# Altium PCB FMC_ADC_100M_10B_16CHA_TDC.PcbDoc (part 11 of 12)
Units mil, origin at the board's own origin, x right, y up, seen from the top; angles counter-clockwise.
Board outline 3037.39 x 2716.54 mil, 6 copper layers (TOP, G1, L2, L3, P3, BOTTOM), stack 50.475 mil thick; 720 components, 633 nets, 2798 pads, 1593 vias.
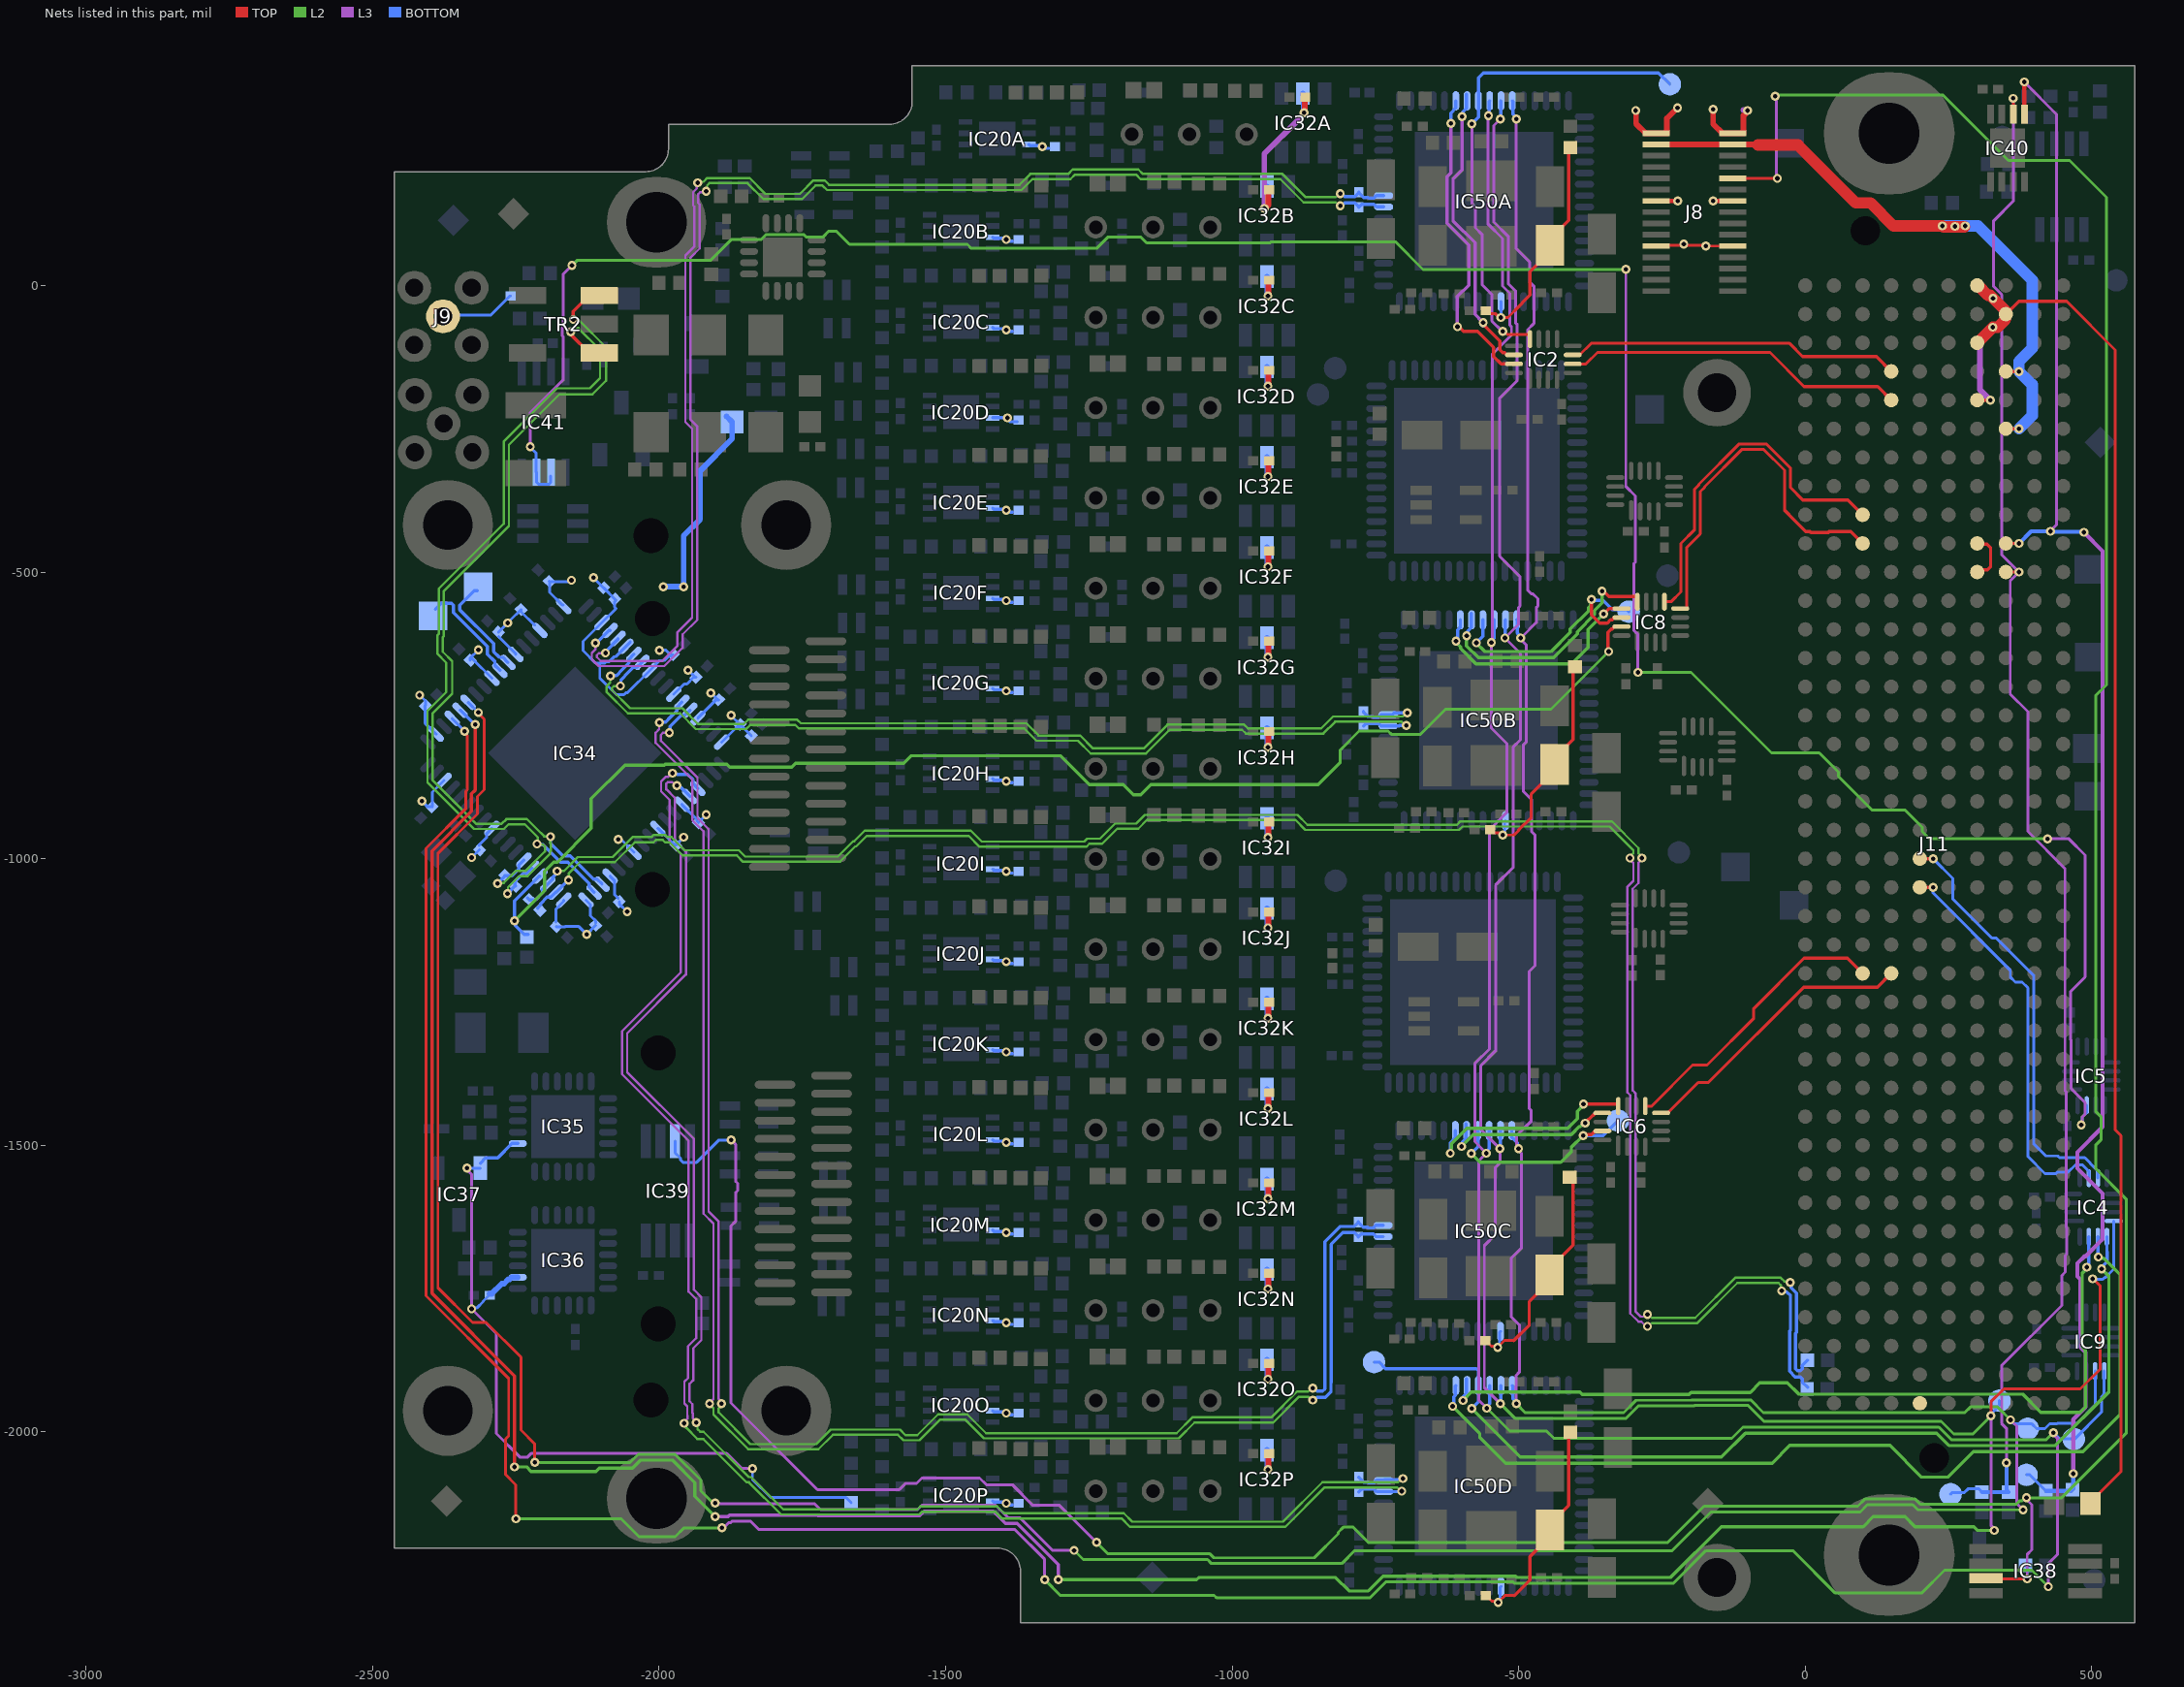
[diagram p15: the nets of this part, all layers, seen from the top]

## Via types
v1: diameter 15.75, hole 7.87, TOP to BOTTOM, tented both sides, 1528 vias
v2: diameter 23.62, hole 11.81, TOP to BOTTOM, tented both sides, 39 vias
v3: diameter 23.62, hole 7.87, TOP to BOTTOM, tented both sides, 26 vias

## Nets (pads, with @x,y where several pads share a name; then routed paths per layer and width w, separated by ;. In a path a pad name is that pad's centre, name@x,y a point inside that pad or via, vN(x,y) a via of type N, cw(c..) or ccw(c..) an arc to the next point about the centre after c; other vN are vias at no path point) (continued)
P3V3: C105A.1 C105B.1 C105C.1 C105D.1 C105E.1 C105F.1 C105G.1 C105H.1 C105I.1 C105J.1 C105K.1 C105L.1 C105M.1 C105N.1 C105O.1 C105P.1 IC32A.5 IC32B.5 IC32C.5 IC32D.5 IC32E.5 IC32F.5 IC32G.5 IC32H.5 IC32I.5 IC32J.5 IC32K.5 IC32L.5 IC32M.5 IC32N.5 IC32O.5 IC32P.5 J8.21 J8.22 J11.c39 J11.d36 J11.d38 J11.d40 R119.1 | length 3927.5
  TOP w5: J8.22@-260.24,68.84 -258.66,70.42 -215.64,70.42 -214.06,68.84 -212.48,70.42 -174.92,70.42 v1(-173.34,68.84) J8.21@-126.38,68.84 ; v1@-214.06,69.94 v1(-212,72) ; 455.82,-27.4 540.86,-112.44 540.86,-1473.11 550.96,-1483.2 550.96,-2069.32 497.25,-2123.03 R119.1@497.25,-2125
  TOP w5.71: J11.d36@300,-200 v1(323,-200) ; J11.c39@350,-50 372.6,-27.4 455.82,-27.4
  TOP w10: v1(-943.97,134.48) -942.21,134.48 -936.54,140.14 -936.54,163.98 C105B.1@-934.88,165.64 ; v1(-937.52,-2065.56) -936.54,-2064.58 -936.54,-2040.75 C105P.1@-934.88,-2039.08 ; v1(-937.52,-1908.08) -936.54,-1907.1 -936.54,-1883.27 C105O.1@-934.88,-1881.6 ; v1(-937.52,-1750.6) -936.54,-1749.62 -936.54,-1725.79 C105N.1@-934.88,-1724.12 ; v1(-937.52,-1593.12) -936.54,-1592.14 -936.54,-1568.31 C105M.1@-934.88,-1566.64 ; v1(-937.52,-1435.64) -936.54,-1434.66 -936.54,-1410.83 C105L.1@-934.88,-1409.16 ; v1(-937.52,-1278.16) -936.54,-1277.18 -936.54,-1253.35 C105K.1@-934.88,-1251.68 ; v1(-937.52,-1120.68) -936.54,-1119.7 -936.54,-1095.86 C105J.1@-934.88,-1094.2 ; v1(-937.52,-963.2) -936.54,-962.22 -936.54,-938.38 C105I.1@-934.88,-936.72 ; v1(-937.52,-805.72) -936.54,-804.74 -936.54,-780.9 C105H.1@-934.88,-779.24 ; v1(-937.52,-648.24) -936.54,-647.26 -936.54,-623.42 C105G.1@-934.88,-621.76 ; v1(-937.52,-490.76) -936.54,-489.78 -936.54,-465.94 C105F.1@-934.88,-464.28 ; v1(-937.52,-333.28) -936.54,-332.3 -936.54,-308.46 C105E.1@-934.88,-306.8 ; v1(-937.52,-175.8) -936.54,-174.82 -936.54,-150.98 C105D.1@-934.88,-149.32 ; v1(-937.52,-18.32) -936.54,-17.34 -936.54,6.5 C105C.1@-934.88,8.16 ; v1(-874.41,301.13) -873.43,302.11 -873.43,325.95 C105A.1@-871.76,327.61
  TOP w20: J11.d38@300,-100 v1(327.13,-72.87) 335.69,-72.87 349.01,-59.55 349.01,-50.99 J11.c39@350,-50 ; J11.d40@300,0 301.41,0 318.61,-17.2 322.55,-17.2 v1(327.67,-22.33) J11.c39@349.01,-43.66
  L3 w10: v1(-943.97,134.48) -943.97,229.9 -884.09,289.78 -884.09,289.89 -874.41,299.57 v1(-874.41,301.13) ; v1(323,-200) 305.13,-182.13 305.13,-94.87 v1(327.13,-72.87)
  BOTTOM w10: v1(-943.97,134.48) -938.51,139.94 -938.51,171.9 IC32B.5@-939.49,172.88 ; IC32P.5@-939.49,-2031.84 -938.51,-2032.82 -938.51,-2064.58 v1(-937.52,-2065.56) ; IC32O.5@-939.49,-1874.36 -938.51,-1875.34 -938.51,-1907.1 v1(-937.52,-1908.08) ; IC32N.5@-939.49,-1716.88 -938.51,-1717.86 -938.51,-1749.62 v1(-937.52,-1750.6) ; IC32M.5@-939.49,-1559.4 -938.51,-1560.38 -938.51,-1592.14 v1(-937.52,-1593.12) ; IC32L.5@-939.49,-1401.92 -938.51,-1402.9 -938.51,-1434.66 v1(-937.52,-1435.64) ; IC32K.5@-939.49,-1244.44 -938.51,-1245.42 -938.51,-1277.18 v1(-937.52,-1278.16) ; IC32J.5@-939.49,-1086.96 -938.51,-1087.94 -938.51,-1119.7 v1(-937.52,-1120.68) ; IC32I.5@-939.49,-929.48 -938.51,-930.46 -938.51,-962.22 v1(-937.52,-963.2) ; IC32H.5@-939.49,-772 -938.51,-772.98 -938.51,-804.74 v1(-937.52,-805.72) ; IC32G.5@-939.49,-614.52 -938.51,-615.5 -938.51,-647.26 v1(-937.52,-648.24) ; IC32F.5@-939.49,-457.04 -938.51,-458.02 -938.51,-489.78 v1(-937.52,-490.76) ; IC32E.5@-939.49,-299.56 -938.51,-300.54 -938.51,-332.3 v1(-937.52,-333.28) ; IC32D.5@-939.49,-142.08 -938.51,-143.06 -938.51,-174.82 v1(-937.52,-175.8) ; IC32C.5@-939.49,15.4 -938.51,14.42 -938.51,-17.34 v1(-937.52,-18.32) ; IC32A.5@-876.38,334.85 -875.4,333.87 -875.4,302.11 v1(-874.41,301.13)
P3V3_CLK: C119.2 C120.2 C121.2 C122.2 C123.2 C124.2 C125.2 C126.2 C127.2 C128.2 C134.2 C135.2 C137.2 C138.2 C139.2 C140.2 C141.2 C142.2 C143.2 IC34.1 IC34.10 IC34.16 IC34.20 IC34.27 IC34.30 IC34.33 IC34.36 IC34.39 IC34.42 IC34.45 IC34.48 IC34.51 IC34.54 IC34.60 IC34.63 IC34.66 IC34.69 IC34.72 J8.1 J8.2 L8.1 | length 2269.4
  TOP w10: v1(-295.81,305.07) -295.28,304.53 -295.28,282.19 -278.78,265.69 J8.2@-260.24,265.69 -241.69,265.69 -241.62,265.77 -241.62,291.38 v1(-223,310) ; v1(-160.74,307.44) -160.74,281.51 -144.92,265.69 J8.1@-126.38,265.69 -107.84,265.69 -107.76,265.77 -107.76,296.44 -100.69,303.51 v1(-100.69,305.07)
  L3 w10: v1@-107.79,306.17 -101.79,306.17 v1(-100.69,305.07)
  BOTTOM w5: v1(-2417.72,-714.62) -2407.52,-724.81 -2407.52,-732.41 C122.2@-2407.9,-732.79 ; v1(-2413.78,-899.66) -2403.8,-909.64 C126.2@-2396.16,-909.6 C126.2@-2396.16,-909.6 -2395.47,-908.9 -2395.47,-883.91 IC34.16@-2375.09,-863.53 ; C122.2@-2409.2,-734.94 -2408.59,-735.56 -2408.59,-763.22 IC34.20@-2389.01,-782.8 ; C119.2@-2329.45,-653.95 C119.2@-2329.45,-651.63 ; v1(-2327.17,-998.08) -2313.49,-984.4 C124.2@-2313.29,-984.4 ; v1(-2315.35,-635.88) -2329.45,-649.99 C119.2@-2329.45,-651.63 ; C124.2@-2313.98,-977.03 -2313.98,-976.11 -2300.53,-962.66 -2300.53,-956.01 IC34.10@-2291.57,-947.05 ; IC34.27@-2291.57,-685.36 -2325.31,-651.63 C119.2@-2329.45,-651.63 ; C127.2@-2280.14,-604.84 -2280.14,-604.6 v1(-2264.17,-588.64) ; C127.2@-2279.92,-612.26 -2279.92,-612.65 -2249.82,-642.76 IC34.30@-2249.82,-643.6 ; v1@-2260.24,-584.7 -2241,-565.47 C123.2@-2240.77,-565.47 -2240.77,-569.13 -2217.33,-592.57 IC34.33@-2216.93,-592.57 ; C134.2@-2191.56,-516.25 C134.2@-2190.86,-516.95 ; C137.2@-2180.13,-1110.89 -2180.13,-1087.99 -2166.3,-1074.17 IC34.1@-2166.3,-1072.32 ; C137.2@-2179.43,-1118.26 -2178.73,-1118.96 -2164.29,-1118.96 -2163.75,-1118.42 -2139.9,-1118.42 v1@-2130.32,-1128.01 ; IC34.36@-2167.4,-557.14 -2169.25,-557.14 -2190.86,-535.52 C134.2@-2190.86,-516.95 ; v1(-2152.8,-514.38) -2155.7,-514.38 -2158.27,-516.95 C134.2@-2190.86,-516.95 ; IC34.72@-2127.32,-1072.32 -2119.67,-1079.98 -2119.67,-1099.56 -2110.63,-1108.59 C142.2@-2110.63,-1112.26 ; v1(-2126.37,-1131.94) C142.2@-2110.63,-1116.19 ; v1(-2114.57,-509.9) -2096.95,-527.51 C143.2@-2096.75,-527.51 C125.2@-2077.07,-547.2 ; IC34.69@-2085.57,-1030.56 -2077.91,-1038.22 -2077.91,-1062.3 C139.2@-2071.26,-1068.95 ; C125.2@-2075.2,-549.27 -2077.76,-551.83 -2077.76,-561.07 -2075.2,-563.64 IC34.39@-2099.49,-587.93 -2132.58,-621.02 -2132.58,-637.12 -2110.92,-658.77 -2102.9,-658.77 ; v1(-2071.26,-966.59) -2069.2,-968.65 -2063.97,-968.65 IC34.66@-2043.81,-988.81 ; C139.2@-2069.39,-1074.95 -2069.39,-1078.69 v1(-2055.51,-1092.57) ; IC34.42@-2050.07,-622.03 IC34.42@-2057.73,-629.69 -2075.59,-647.55 -2078.15,-647.55 -2087.15,-656.55 -2092.66,-656.55 -2094.88,-658.77 -2102.9,-658.77 ; IC34.63@-2002.05,-947.05 -1974.64,-974.46 C138.2@-1972.84,-974.46 ; v1(-1999.48,-636.44) -1988.03,-636.44 -1980.16,-644.3 C128.2@-1974.92,-644.3 ; C128.2@-1976.77,-647.69 -1978.41,-646.05 -1982.17,-646.05 -1990.39,-654.27 -1998.79,-654.27 IC34.45@-2015.97,-671.44 -2054.7,-710.17 -2057.26,-710.17 -2061.14,-714.06 -2074.34,-714.06 -2103.4,-685 -2103.4,-659.27 -2102.9,-658.77 ; IC34.48@-1974.21,-713.2 -1956.15,-695.14 -1951.3,-695.14 -1939.83,-683.67 C135.2@-1935.55,-683.67 ; C138.2@-1970.77,-976.53 -1970.77,-976.34 v1(-1957.08,-962.65) ; IC34.60@-1960.29,-905.29 -1933.47,-932.12 C121.2@-1933.47,-935.09 ; v1(-1949.21,-671.31) C135.2@-1937.4,-683.12 ; IC34.51@-1932.45,-754.96 -1900.34,-722.85 C140.2@-1895.99,-722.85 ; C121.2@-1931.4,-937.16 -1931.4,-936.97 v1(-1917.71,-923.28) ; v1(-1909.84,-710.68) C140.2@-1898.03,-722.49 ; IC34.54@-1890.69,-796.72 -1863.71,-769.74 C141.2@-1858.66,-769.74 ; v1(-1874.41,-750.06) C141.2@-1858.66,-765.8 C120.2@-1838.98,-785.49
  BOTTOM w10: v1(-1992.52,-525.64) v1(-1957.09,-525.64) -1957.09,-436.54 -1928.55,-408 -1928.55,-323.44 -1872.44,-267.34 L8.1@-1872.44,-238.24 L8.1@-1882.29,-228.4
P5V0A: C101A.1 C101B.1 C101C.1 C101D.1 C101E.1 C101F.1 C101G.1 C101H.1 C101I.1 C101J.1 C101K.1 C101L.1 C101M.1 C101N.1 C101O.1 C101P.1 IC20A.3 IC20B.3 IC20C.3 IC20D.3 IC20E.3 IC20F.3 IC20G.3 IC20H.3 IC20I.3 IC20J.3 IC20K.3 IC20L.3 IC20M.3 IC20N.3 IC20O.3 IC20P.3 J8.13 J8.14 | length 615.6
  TOP w7.87: J8.14@-260.24,147.58 v1(-222.61,147.58) ; v1(-160.74,147.58) J8.13@-126.38,147.58
  BOTTOM w5.71: IC20P.3@-1417.84,-2120.68 -1415.82,-2122.7 -1396.14,-2122.7 v1(-1394.22,-2124.62) ; IC20O.3@-1417.84,-1963.2 -1415.82,-1965.22 -1396.14,-1965.22 v1(-1394.22,-1967.14) ; IC20N.3@-1417.84,-1805.72 -1415.82,-1807.74 -1396.14,-1807.74 v1(-1394.22,-1809.66) ; IC20M.3@-1417.84,-1648.24 -1415.82,-1650.26 -1396.14,-1650.26 v1(-1394.22,-1652.18) ; IC20L.3@-1417.84,-1490.76 -1415.82,-1492.78 -1396.14,-1492.78 v1(-1394.22,-1494.7) ; IC20K.3@-1417.84,-1333.28 -1415.82,-1335.3 -1396.14,-1335.3 v1(-1394.22,-1337.22) ; IC20J.3@-1417.84,-1175.8 -1415.82,-1177.82 -1396.14,-1177.82 v1(-1394.22,-1179.74) ; IC20I.3@-1417.84,-1018.32 -1415.82,-1020.34 -1396.14,-1020.34 v1(-1394.22,-1022.26) ; IC20H.3@-1417.84,-860.84 -1415.82,-862.86 -1396.14,-862.86 v1(-1394.22,-864.78) ; IC20G.3@-1417.84,-703.36 -1415.82,-705.38 -1396.14,-705.38 v1(-1394.22,-707.3) ; IC20F.3@-1417.84,-545.88 -1415.82,-547.9 -1396.14,-547.9 v1(-1394.22,-549.82) ; IC20E.3@-1417.84,-388.4 -1415.82,-390.42 -1396.14,-390.42 v1(-1394.22,-392.34) ; IC20D.3@-1417.84,-230.92 -1417.57,-230.65 -1398.3,-230.65 v1@-1398.03,-230.92 ; IC20C.3@-1417.84,-73.44 -1415.82,-75.46 -1396.14,-75.46 v1(-1394.22,-77.38) ; IC20B.3@-1417.84,84.04 -1415.82,82.03 -1396.14,82.03 v1(-1394.22,80.11) ; v1(-1392,-231) -1394.69,-231 -1387.96,-237.73 C101D.1@-1375,-237.73 ; v1@-1390.28,-2125.36 -1390.28,-2125.84 -1388.63,-2127.49 -1383.47,-2127.49 ; v1@-1390.28,-1967.88 -1390.28,-1968.36 -1388.63,-1970.01 -1383.47,-1970.01 ; v1@-1390.28,-1810.4 -1390.28,-1810.88 -1388.63,-1812.53 -1383.47,-1812.53 ; v1@-1390.28,-1652.92 -1390.28,-1653.4 -1388.63,-1655.05 -1383.47,-1655.05 ; v1@-1390.28,-1495.44 -1390.28,-1495.92 -1388.63,-1497.57 -1383.47,-1497.57 ; v1@-1390.28,-1337.96 -1390.28,-1338.44 -1388.63,-1340.09 -1383.47,-1340.09 ; v1@-1390.28,-1180.48 -1390.28,-1180.96 -1388.63,-1182.61 -1383.47,-1182.61 ; v1@-1390.28,-1023 -1390.28,-1023.48 -1388.63,-1025.13 -1383.47,-1025.13 ; v1@-1390.28,-865.52 -1390.28,-866 -1388.63,-867.65 -1383.47,-867.65 ; v1@-1390.28,-708.04 -1390.28,-708.52 -1388.63,-710.17 -1383.47,-710.17 ; v1@-1390.28,-550.56 -1390.28,-551.04 -1388.63,-552.69 -1383.47,-552.69 ; v1@-1390.28,-393.08 -1390.28,-393.56 -1388.63,-395.21 -1383.47,-395.21 ; v1@-1390.28,-78.12 -1390.28,-78.6 -1388.63,-80.25 -1383.47,-80.25 ; v1@-1390.28,79.36 -1390.28,78.88 -1388.63,77.23 -1383.47,77.23 ; IC20A.3@-1354.73,246.01 -1352.71,243.99 -1333.02,243.99 v1(-1331.1,242.07) ; v1@-1327.17,241.33 -1327.17,240.85 -1325.51,239.2 -1320.36,239.2
P12V0: J8.3 J8.4 J11.c35 J11.c37 | length 1090.2
  TOP w5.71: J11.c35@350,-250 v1(373,-250) ; J11.c37@350,-150 v1(373,-150)
  TOP w10: J8.4@-260.24,246.01 J8.3@-145,246.01 ; J8.3@-107.76,246.01 -83.48,246.01 -82.4,244.93
  TOP w20: -82.4,244.93 -12.56,244.93 88.14,144.22 113.68,144.22 154.05,103.85 v1(239.29,103.85) 241.14,102 v1@278,102
  BOTTOM w20: v1(239.29,103.85) 301.5,103.85 395.87,9.47 395.87,-109.47 373,-132.35 v1(373,-150) 395.87,-172.87 395.87,-227.13 v1(373,-250)
  other v1: 261,103 279,104
PG_M2C: J11.f1
REF2V5: C147.1 IC35.8 IC36.8 IC37.2 R117.1 | length 1374.3
  L3 w5: v1(-2335.04,-1539.97) -2335.04,-1542.88 -2327.17,-1550.76 v1(-2327.17,-1785.49) -2284.05,-1828.61 -2284.05,-2002.83 -2242.98,-2043.89 -2229.36,-2043.89 -2223.29,-2037.83 -1881.9,-2037.83 -1855.79,-2063.94 -1837.2,-2063.94 v1(-1837.08,-2064.06)
  BOTTOM w5: v1(-2335.04,-1539.97) IC37.2@-2311.54,-1539.97 ; v1(-2327.17,-1785.49) -2325.11,-1783.43 -2317.46,-1783.43 -2306.87,-1772.84 -2306.87,-1772.08 -2296.66,-1761.86 C147.1@-2295.67,-1761.86 ; v1(-1837.08,-2064.06) -1836.96,-2064.18 -1836.96,-2082.77 -1805.21,-2114.52 -1673.8,-2114.52 R117.1@-1664.89,-2123.44
  BOTTOM w5.71: IC37.2@-2311.42,-1531 -2302.58,-1522.16 -2281.39,-1522.16 -2256.15,-1496.93 IC35.8@-2246.53,-1496.93
  BOTTOM w10: C147.1@-2295.67,-1758.99 -2291.81,-1758.99 -2274.3,-1741.47 -2270.46,-1741.47 -2262.96,-1733.97 -2260.64,-1733.97 -2256.86,-1730.19 IC36.8@-2246.53,-1730.19
REF_SEL: IC8.15 IC34.4 R78.2 | length 2428.2
  TOP w5.71: v1(-343,-638.62) -344.18,-637.44 -344.18,-605.01 -338.2,-599.03 -336.93,-599.03 -332.97,-595.07 IC8.15@-320.58,-595.07
  L2 w5: -811.77,-832.73 -811.77,-810.76 -778.49,-777.49 -727.65,-777.49 -722.23,-782.9 -671.39,-782.9 -627.6,-739.12 -443.5,-739.12 v1(-343,-638.62)
  L2 w5.71: v1(-2252.36,-1108.32) -2200.02,-1055.98 -2200.02,-1021.93 -2184.07,-1005.98 -2177.33,-1005.98 -2118.51,-947.16 -2118.51,-895.47 -2059.69,-836.65 -1990.66,-836.65 -1989.28,-835.27 -1881.67,-835.27 -1876.35,-840.59 -1768.74,-840.59 -1761.41,-833.26 -1572.74,-833.26 -1559.9,-820.42 -1299.78,-820.42 -1249.45,-870.75 -1190.02,-870.75 -1172.39,-888.38 -1159.35,-888.38 -1141.72,-870.75 -1126.64,-870.75 -1126.39,-870.5 -1049.7,-870.5 -1049.45,-870.75 -849.79,-870.75 -811.77,-832.73
  BOTTOM w5.71: R78.2@-2228.74,-1131.94 -2235.32,-1131.94 -2250.44,-1116.82 -2250.44,-1110.24 v1(-2252.36,-1108.32) -2252.36,-1073.9 -2209.02,-1030.56 IC34.4@-2208.06,-1030.56
REFA_N: IC34.3 R76.2 R121.1 | length 3403.8
  L3 w4: v1(-285.13,-998.91) -285.13,-1001.25 -291,-1007.13 -291,-1042.49 -301.27,-1052.76 -301.27,-1404.19 -296.33,-1409.13 -296.33,-1789.6 -287.02,-1798.91 -282.36,-1798.91 -278.67,-1795.21 v1(-275.49,-1795.21)
  L2 w4: v1(-2177.56,-1021.71) -2177.42,-1021.57 -2166.07,-1021.57 -2141.7,-997.21 -2080.84,-997.21 -2046.03,-962.4 -2013.31,-962.4 -2009.37,-958.46 -1989.59,-958.46 -1985.65,-962.4 -1978.37,-962.4 -1955.37,-985.4 -1860.6,-985.4 -1849.59,-996.41 -1688.14,-996.41 -1661.38,-969.65 -1659.58,-969.65 -1641.07,-951.14 -1456.12,-951.14 -1437.06,-970.2 -1258.02,-970.2 -1252.83,-965 -1230.57,-965 -1204.35,-938.78 -1167.66,-938.78 -1152.46,-923.58 -885.88,-923.58 -868.55,-940.91 -607.88,-940.91 -601.81,-934.84 -337.59,-934.84 -291,-981.43 -291,-990.69 -285.13,-996.56 v1(-285.13,-998.91) ; v1(-275.49,-1795.21) -273.15,-1795.21 -267.27,-1801.09 -192.16,-1801.09 -122.2,-1731.13 -42.84,-1731.13 -36.29,-1737.67 -27.99,-1737.67 v1(-26.33,-1739.33)
  BOTTOM w5.71: R76.2@-2229.62,-1068.75 -2226.23,-1072.13 -2215.44,-1072.13 -2202.96,-1059.65 -2202.96,-1053.31 -2185.32,-1035.66 -2185.32,-1032.18 -2177.56,-1024.42 v1(-2177.56,-1021.71) ; v1(-26.33,-1739.33) -24.41,-1741.25 -24.41,-1748.34 -15.11,-1757.64 -15.11,-1826.48 -16.75,-1828.12 -16.75,-1889.92 -13.4,-1893.27 -8.23,-1893.27 -4.88,-1889.92 -4.88,-1883.95 R121.1@4.07,-1875
REFA_P: IC34.2 R76.1 R120.1 | length 3390.9
  L3 w4: v1(-305.87,-998.91) -305.87,-1001.25 -300,-1007.13 -300,-1038.76 -310.27,-1049.03 -310.27,-1407.92 -305.33,-1412.85 -305.33,-1793.33 -290.75,-1807.91 -285.89,-1807.91 -277.83,-1815.96 v1(-275.49,-1815.96)
  L2 w4: v1(-2157.87,-1037.46) -2157.74,-1037.32 -2157.74,-1025.97 -2137.98,-1006.21 -2077.11,-1006.21 -2042.3,-971.4 -2009.58,-971.4 -2005.64,-967.46 -1993.32,-967.46 -1989.38,-971.4 -1982.1,-971.4 -1959.1,-994.4 -1864.33,-994.4 -1853.31,-1005.41 -1684,-1005.41 ; -1684,-1005 -1657.65,-978.65 -1655.86,-978.65 -1637.34,-960.14 -1459.85,-960.14 -1440.79,-979.2 -1254.29,-979.2 -1249.1,-974 -1226.84,-974 -1200.62,-947.78 -1163.93,-947.78 -1148.73,-932.58 -889.61,-932.58 -872.28,-949.91 -604.15,-949.91 -598.08,-943.84 -341.32,-943.84 -300,-985.16 -300,-990.69 -305.87,-996.56 v1(-305.87,-998.91) ; v1(-275.49,-1815.96) -273.15,-1815.96 -267.27,-1810.09 -188.43,-1810.09 -118.47,-1740.13 -46.57,-1740.13 -42.66,-1744.04 -42.66,-1752.34 v1(-41,-1754)
  BOTTOM w5.71: R76.1@-2211.8,-1086.56 -2211.8,-1085.24 -2206.74,-1080.17 -2206.74,-1078.58 -2195.39,-1067.23 -2189.04,-1067.23 IC34.2@-2180.22,-1058.4 -2179.52,-1058.4 -2158.57,-1037.46 v1(-2157.87,-1037.46) ; v1(-41,-1754) -39.08,-1755.92 -31.99,-1755.92 -25.83,-1762.08 -25.83,-1822.05 -27.46,-1823.68 -27.46,-1894.36 -17.84,-1903.98 -8.23,-1903.98 -4.88,-1907.33 -4.88,-1913.3 R120.1@4.07,-1922.25
REFB_N: IC34.6 IC34.71 R77.2 TR2.3 | length 1650.1
  TOP w5.71: v1(-2153.93,-80.77) -2152.01,-82.69 -2152.01,-87.29 -2121.77,-117.53 TR2.3@-2104.26,-117.53
  L2 w4: v1(-2281.87,-1043.38) -2281.08,-1042.58 -2271.05,-1042.58 -2250.04,-1021.57 -2233.3,-1021.57 -2199.12,-987.39 -2199.12,-978.63 -2202.33,-975.42 -2212.04,-975.42 v1(-2212.99,-974.46) -2211.37,-972.84 -2211.37,-962.93 -2223.59,-950.72 -2234.39,-939.9 -2246.71,-939.9 -2246.81,-940 -2262.73,-940 -2270.82,-948.09 -2322.96,-948.09 -2403.97,-867.08 -2403.97,-742.37 -2371.35,-709.75 -2371.35,-658.03 -2386.47,-642.9 -2386.47,-610.24 -2384.47,-608.24 -2384.47,-529.1 -2271.05,-415.68 -2271.05,-272.22 -2178.23,-179.4 -2120.6,-179.4 -2102.92,-161.73 -2102.92,-112.16 -2140.8,-74.28 -2144.27,-74.28 -2150.75,-80.77 v1(-2153.93,-80.77)
  BOTTOM w5.71: v1(-2281.87,-1043.38) -2268.89,-1030.39 R77.2@-2268.89,-1029.47 -2268.33,-1030.03 -2256.86,-1030.03 -2244.72,-1017.89 -2244.72,-1011.55 IC34.6@-2235.9,-1002.73 ; v1(-2212.99,-974.46) -2211.95,-975.51 -2202.21,-975.51 -2171.75,-1005.98 -2159.49,-1005.98 -2122.23,-1043.24 -2122.23,-1049.58 IC34.71@-2113.41,-1058.4
REFB_P: IC34.5 IC34.70 R77.1 TR2.1 | length 1667
  TOP w5.71: v1(-2149.61,-59.41) -2149.66,-59.36 -2149.66,-45.42 -2121.77,-17.53 TR2.1@-2104.26,-17.53
  L2 w4: v1(-2264.42,-1060.83) -2263.62,-1060.04 -2263.62,-1050.01 -2244.19,-1030.57 -2229.58,-1030.57 -2190.12,-991.12 -2190.12,-987.79 -2188.62,-986.29 -2188.62,-974.28 -2189.78,-973.12 -2189.78,-961.99 v1(-2189.37,-961.59) -2189.87,-961.09 -2200.49,-961.09 -2214.59,-946.99 -2230.66,-930.9 -2250.44,-930.9 -2250.54,-931 -2266.46,-931 -2274.55,-939.09 -2319.23,-939.09 -2394.97,-863.36 -2394.97,-746.09 -2360.85,-711.97 -2360.85,-655.8 -2377.47,-639.17 -2377.47,-613.97 -2375.47,-611.96 -2375.47,-532.83 -2262.05,-419.41 -2262.05,-278.07 -2173.88,-189.9 -2116.25,-189.9 -2092.42,-166.07 -2092.42,-107.81 -2138.57,-61.66 -2147.36,-61.66 v1(-2149.61,-59.41)
  BOTTOM w5.71: v1(-2264.42,-1060.83) -2251.43,-1047.85 R77.1@-2250.52,-1047.85 -2251.07,-1047.29 -2251.07,-1039.64 -2248.83,-1037.39 -2248.83,-1037.15 -2237.14,-1025.47 -2230.8,-1025.47 IC34.5@-2221.98,-1016.65 ; v1(-2189.37,-961.59) -2189.26,-961.7 -2189.26,-973.31 -2167.31,-995.27 -2155.05,-995.27 -2114.65,-1035.66 -2108.31,-1035.66 IC34.70@-2099.49,-1044.48
REFCLKA_N: IC34.41 IC50A.41 R145A.2 | length 2312.4
  L3 w4: v1(-2093.52,-641.18) -2093.79,-641.44 -2104.88,-641.44 -2108.4,-644.96 -2108.4,-648.27 -2101.62,-655.05 -1994.59,-655.05 -1967.85,-628.32 -1967.85,-605.01 -1942.21,-579.37 -1942.21,-249.92 -1954.06,-238.08 -1954.06,52.55 -1938.28,68.33 -1938.28,137.54 -1940.59,139.86 -1940.59,162.78 -1934.05,169.33 -1934.05,177.63 v1(-1932.39,179.29)
  L2 w4: v1(-1932.39,179.29) -1930.73,180.95 -1922.43,180.95 -1915.88,187.49 -1842.02,187.49 -1814.31,159.78 -1754.21,159.78 -1730.72,183.27 -1710.94,183.27 -1703.07,175.39 -1371.29,175.39 -1352.11,194.57 -1285.95,194.57 -1278.12,202.4 -1163.85,202.4 -1156.02,194.57 -912.27,194.57 -871.73,154.04 -819.64,154.04 -813.76,159.91 v1(-811.42,159.91)
  BOTTOM w5.71: v1(-2093.52,-641.18) -2093.52,-639.29 -2071.65,-617.42 IC34.41@-2071.65,-615.77 ; v1(-811.42,159.91) -808.7,159.91 -803.69,154.89 -785.74,154.89 R145A.2@-778.89,161.74 ; R145A.2@-778.89,162.53 R145A.2@-778.89,161.74 ; IC50A.41@-735.7,156.76 -748.18,156.76 -752.66,152.27 -761.5,152.27 -762.69,153.46 -770.61,153.46 R145A.2@-778.89,161.74
REFCLKA_P: IC34.40 IC50A.40 R145A.1 | length 2332.9
  L3 w4: v1(-2110.98,-623.72) -2111.24,-623.99 -2111.24,-635.08 -2117.4,-641.23 -2117.4,-652 -2105.35,-664.05 -1990.86,-664.05 -1958.85,-632.05 -1958.85,-608.74 -1933.21,-583.1 -1933.21,-246.19 -1945.06,-234.35 -1945.06,48.83 -1929.28,64.6 -1929.28,141.27 -1931.59,143.59 -1931.59,159.05 -1927.68,162.96 -1919.37,162.96 v1(-1917.72,164.62)
  L2 w4: v1(-1917.72,164.62) -1916.06,166.28 -1916.06,174.58 -1912.15,178.49 -1845.75,178.49 -1818.04,150.78 -1750.48,150.78 -1726.99,174.27 -1714.67,174.27 -1706.8,166.39 -1367.57,166.39 -1348.39,185.57 -1282.23,185.57 -1274.39,193.4 -1167.58,193.4 -1159.75,185.57 -915.99,185.57 -875.46,145.04 -819.64,145.04 -813.76,139.16 v1(-811.42,139.16)
  BOTTOM w5.71: v1(-2110.98,-623.72) -2109.09,-623.72 -2087.22,-601.85 IC34.40@-2085.57,-601.85 ; v1(-811.42,139.16) -808.7,139.16 -803.69,144.18 -785.74,144.18 -778.89,137.33 R145A.1@-778.89,136.55 -773.88,141.56 -752.66,141.56 -748.18,137.07 IC50A.40@-735.7,137.07
REFCLKB_N: IC34.44 IC50B.41 R145B.2 | length 1632.6
  L2 w4: v1(-2067.51,-698.68) -2067.78,-698.95 -2078.87,-698.95 -2082.39,-702.47 -2082.39,-705.78 -2050.57,-737.6 -1959.4,-737.6 -1932.07,-764.93 -1851.94,-764.93 -1844.69,-757.68 -1758.65,-757.68 -1752.53,-763.8 -1359.07,-763.8 -1337.71,-785.16 -1265.26,-785.16 -1242.89,-807.52 -1154.22,-807.52 -1112.8,-766.1 -979.15,-766.1 -972.45,-772.8 -844.71,-772.8 -823.97,-752.06 -702.47,-752.06 -696,-745.59 v1(-694.25,-745.59)